# Altium PCB carrier_pcb.PcbDoc (part 1 of 3) (continued)
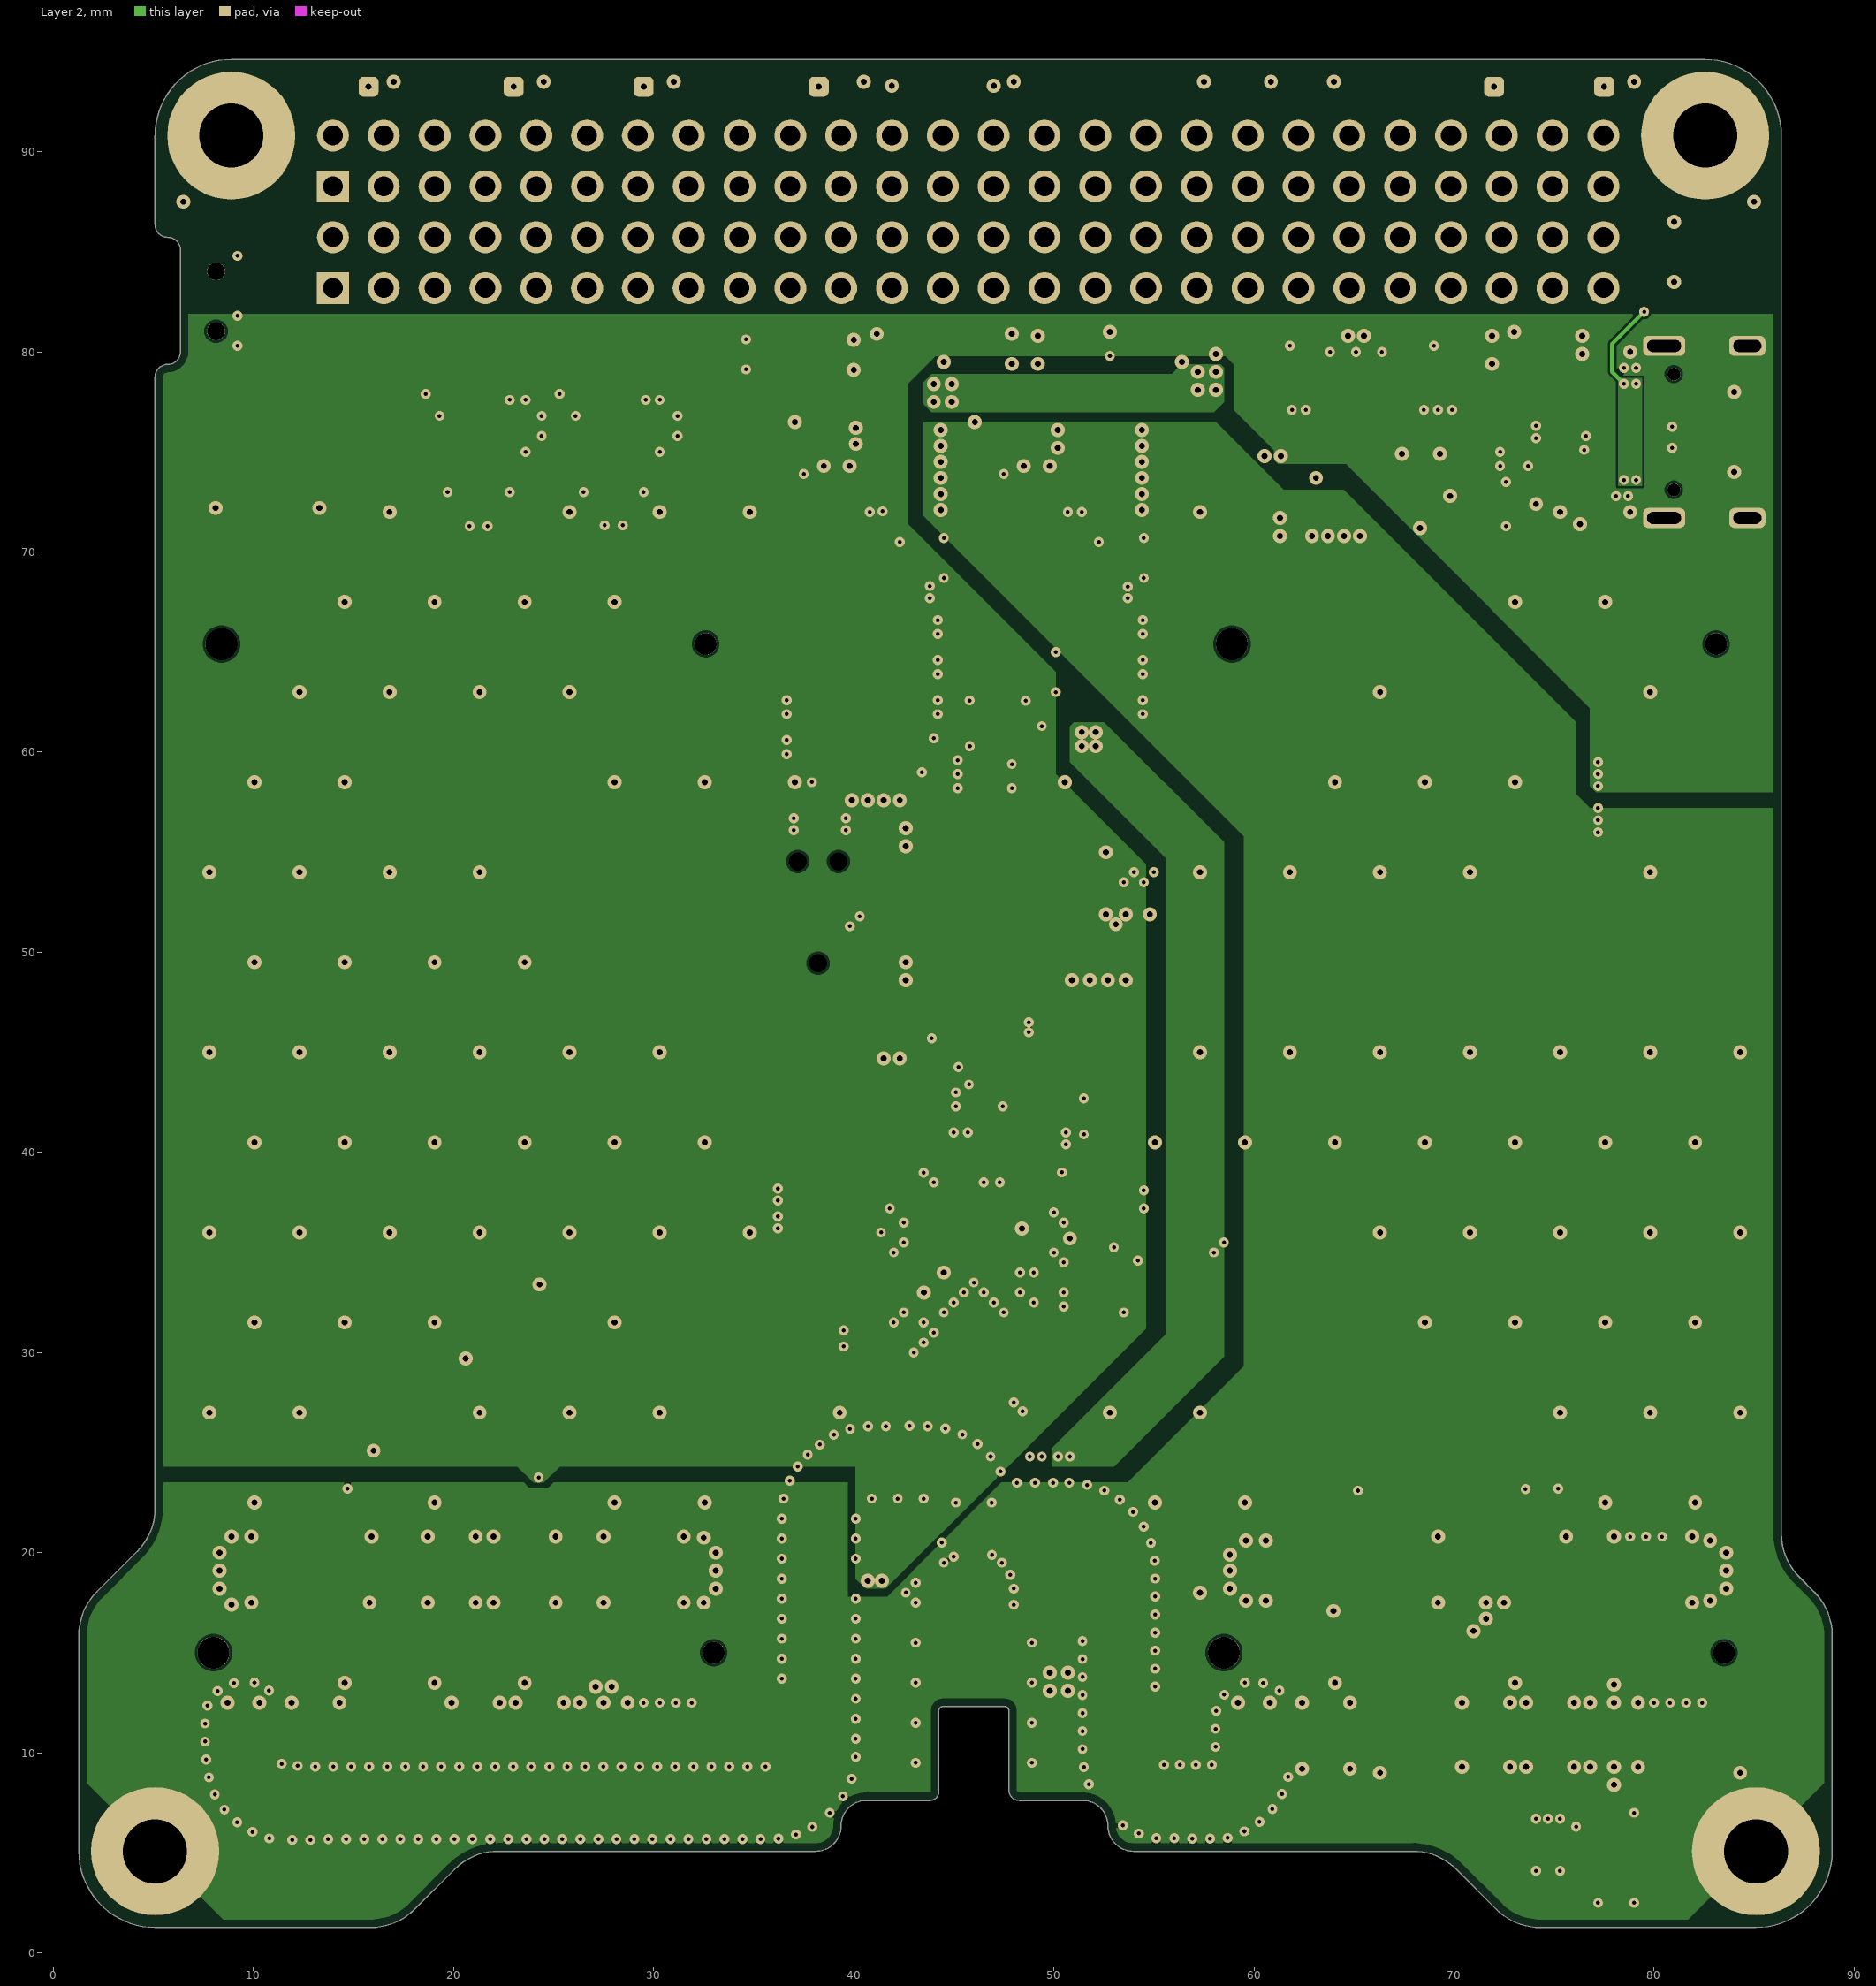
[diagram p4: Layer 2]
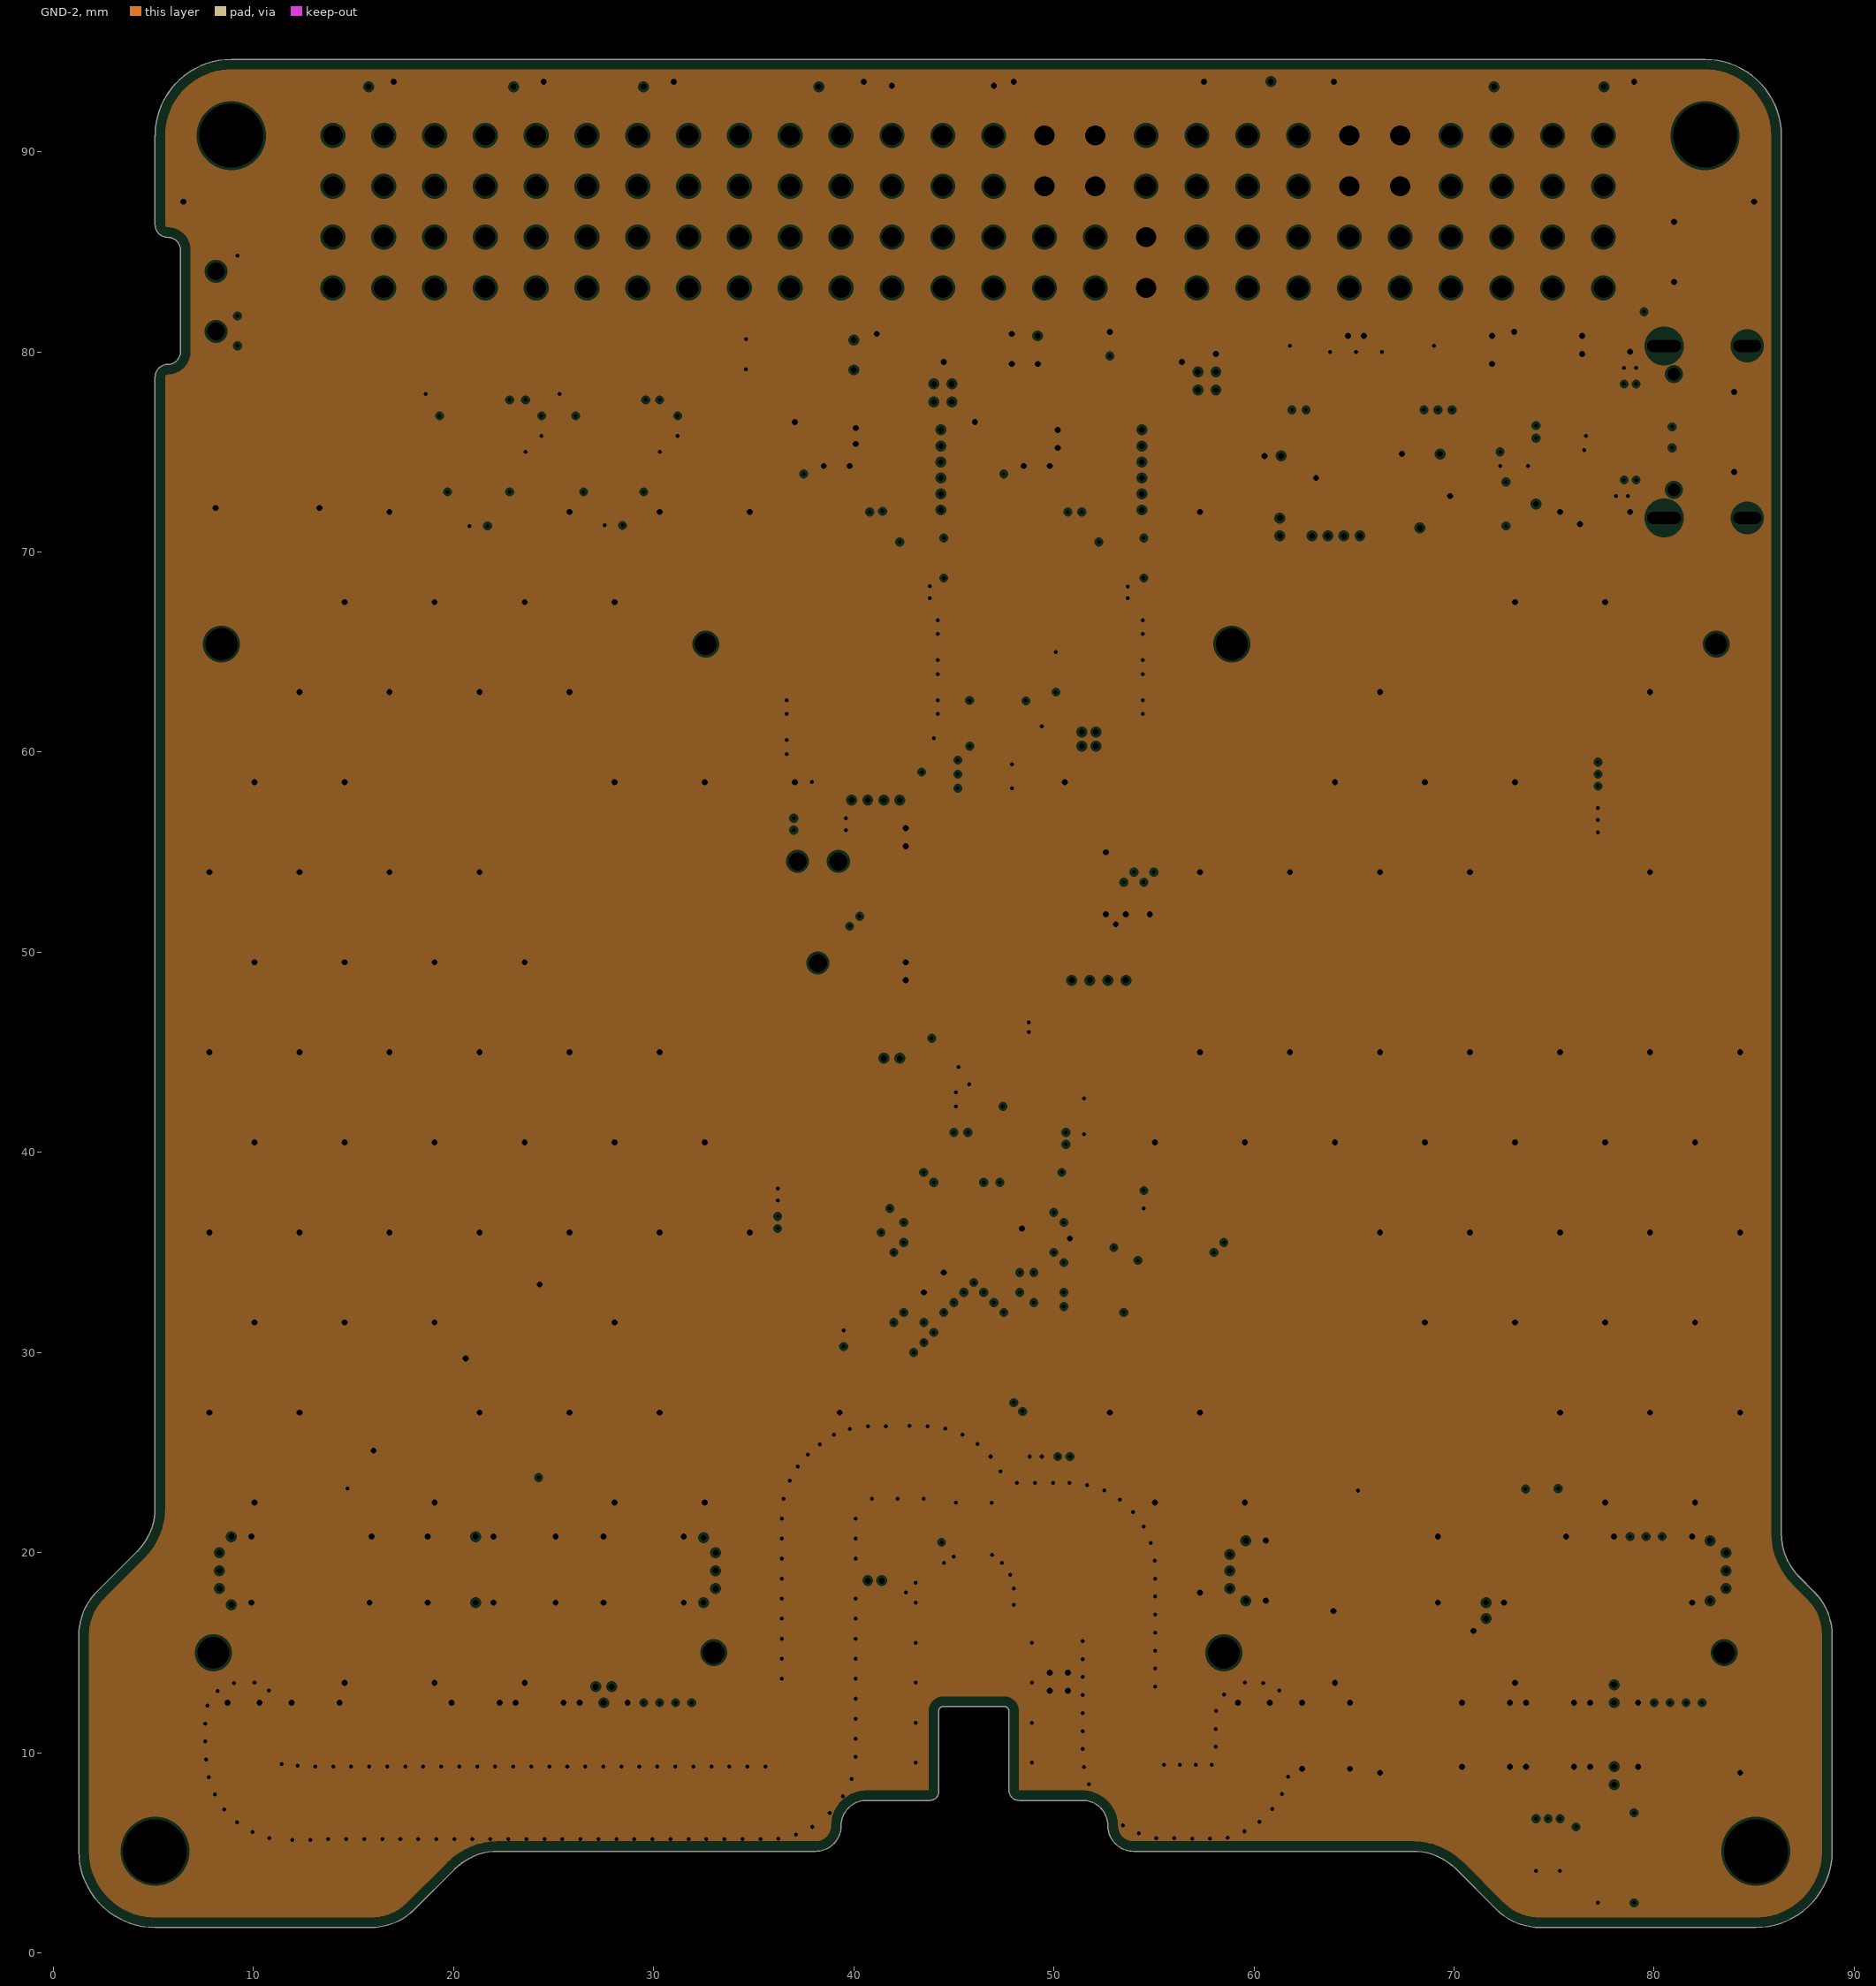
[diagram p5: GND-2, clearances drawn from the general rule]
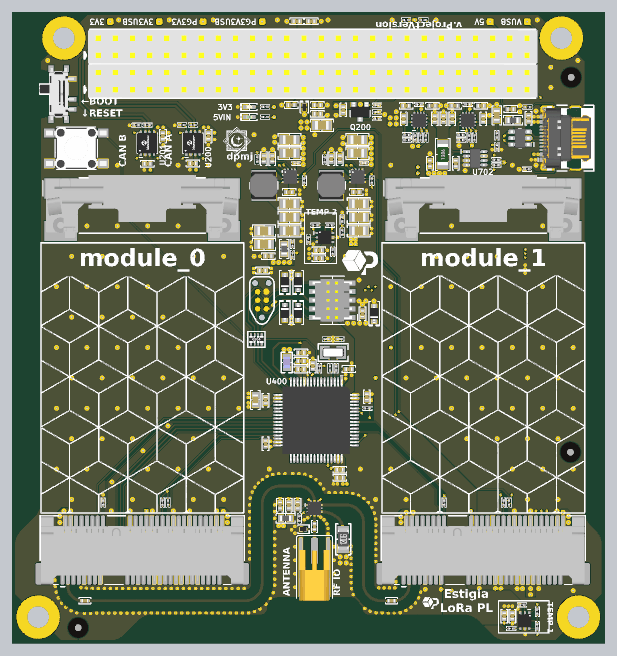
[diagram p8: 3D render of the assembled board from above, using the file's embedded part models]
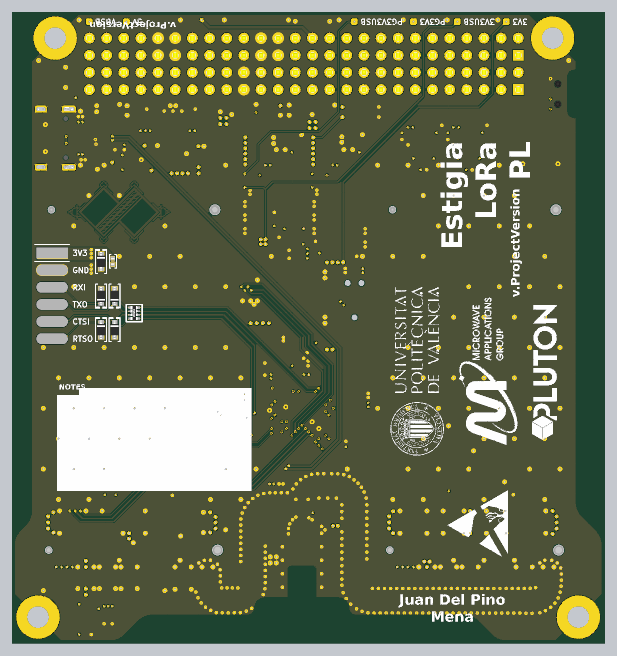
[diagram p9: 3D render of the assembled board from below, using the file's embedded part models]

## Layer stack, top to bottom
Top Solder: solder mask 0.025, SM-001, Dk 4
Top: signal copper 0.018
PP-top: prepreg 0.22, PP-008, Dk 4.1
GND-1: plane copper 0.035, net GND
Core 1: core 0.35, Core-009, Dk 4.5
Layer 1: signal copper 0.035
PP-mid: prepreg 0.22, PP-008, Dk 4.1
Layer 2: signal copper 0.035
Core 2: core 0.35, Core-009, Dk 4.5
GND-2: plane copper 0.035, net GND
PP-bottom: prepreg 0.22, PP-008, Dk 4.1
Bottom: signal copper 0.018
Board Layer Stack Bottom Solder: solder mask 0.025, SM-001, Dk 4

## Board outline
5.08,1.27 cw(c5.08,5.08) 1.27,5.08 1.27,15.875 cw(c4.336,15.875) 2.168,18.043 4.182,20.057 ccw(c2.014,22.225) 5.08,22.225 5.08,78.74 cw(c5.715,78.74) 5.715,79.375 ccw(c5.715,80.01) 6.35,80.01 6.35,85.09 ccw(c5.715,85.09) 5.715,85.725 cw(c5.715,86.36) 5.08,86.36 5.08,90.8 cw(c5.085,90.8) 5.085,90.805 5.085,90.81 cw(c8.89,90.81) 8.89,94.615 82.55,94.615 cw(c82.55,90.805) 86.36,90.805 86.36,20.95 ccw(c89.426,20.95) 87.258,18.782 88.006,18.034 cw(c85.846,15.875) 88.9,15.875 88.9,5.08 cw(c85.09,5.08) 85.09,1.27 74.291,1.27 cw(c74.291,4.336) 72.123,2.168 70.107,4.184 ccw(c67.945,2.022) 67.945,5.08 53.975,5.08 cw(c53.975,6.35) 52.705,6.35 ccw(c51.435,6.35) 51.435,7.62 48.26,7.62 cw(c48.26,8.128) 47.752,8.128 47.752,12.084 ccw(c47.517,12.084) 47.517,12.319 44.484,12.319 ccw(c44.484,12.082) 44.247,12.082 44.247,8.052 cw(c43.815,8.052) 43.815,7.62 40.64,7.62 ccw(c40.64,6.35) 39.37,6.35 cw(c38.1,6.35) 38.1,5.08 22.22,5.08 ccw(c22.22,2.014) 20.052,4.182 18.034,2.164 cw(c15.875,4.324) 15.875,1.27

## Design rules (kind name [scope] priority, off if disabled: settings)
BoardOutlineClearance BoardOutlineClearance_MH_SH [InComponent('MH1') Or InComponent('MH2') Or InComponent('SH1')] p1: gap=0 ignorepadtopadclearanceinfootprint=FALSE
BoardOutlineClearance BoardOutlineClearance_layers [WithinRoom('layers_room')] p2: gap=0 ignorepadtopadclearanceinfootprint=FALSE
BoardOutlineClearance BoardOutlineClearance_EARTH [InNet('EARTH')] p3: gap=0.1 ignorepadtopadclearanceinfootprint=FALSE
BoardOutlineClearance [All] p4: gap=0.2 ignorepadtopadclearanceinfootprint=FALSE except(0.4: Poly-OutlineEdge Poly-CavityEdge Poly-CutoutEdge Poly-SplitBarrior Poly-SplitContinuation)
Clearance "Stitching GND" [IsStitchingVia and InNet('GND') vs (IsVia and (Not IsStitchingVia)) Or IsPad] p1: gap=0.15 ignorepadtopadclearanceinfootprint=FALSE
Clearance [All] p2: gap=0.125 ignorepadtopadclearanceinfootprint=TRUE
ComponentClearance clearance_shield [InComponent('SH1')] p1: gap=0 collisioncheckmode=3 verticalgap=0.254 showdistances=FALSE
ComponentClearance [All] p2: gap=0.254 collisioncheckmode=3 verticalgap=0.254 showdistances=FALSE
DiffPairsRouting "Schematic Differential Pairs Routing_1" [InNetClass('USB90')] p1: maxlimit=0.127 minlimit=0.127 mostfreqgap=0.127 toplayer_minwidth=0.269 toplayer_maxwidth=0.269 toplayer_prefwidth=0.269 midlayer1_minwidth=0.11 midlayer1_maxwidth=0.11 midlayer1_prefwidth=0.11 midlayer2_minwidth=0.11 midlayer2_maxwidth=0.11 midlayer2_prefwidth=0.11 bottomlayer_minwidth=0.269 bottomlayer_maxwidth=0.269 bottomlayer_prefwidth=0.269 impedanceprofiledriven=TRUE impedanceprofileid={266757C6-EAF0-4150-87D3-D6DA855A85D4} impedanceprofilevalue=90.000000 maxuncoupledlength=12.7
DiffPairsRouting Diff_100ohmDiffPairsRouting [InDifferentialPairClass('Diff_100ohm')] p2: maxlimit=0.127 minlimit=0.127 mostfreqgap=0.127 toplayer_minwidth=0.181 toplayer_maxwidth=0.181 toplayer_prefwidth=0.181 midlayer1_minwidth=0.109 midlayer1_maxwidth=0.109 midlayer1_prefwidth=0.109 midlayer2_minwidth=0.109 midlayer2_maxwidth=0.109 midlayer2_prefwidth=0.109 bottomlayer_minwidth=0.181 bottomlayer_maxwidth=0.181 bottomlayer_prefwidth=0.181 maxuncoupledlength=12.7
DiffPairsRouting Diff_90ohmDiffPairsRouting [InDifferentialPairClass('Diff_90ohm')] p3: maxlimit=0.127 minlimit=0.127 mostfreqgap=0.127 toplayer_minwidth=0.269 toplayer_maxwidth=0.269 toplayer_prefwidth=0.269 midlayer1_minwidth=0.11 midlayer1_maxwidth=0.11 midlayer1_prefwidth=0.11 midlayer2_minwidth=0.11 midlayer2_maxwidth=0.11 midlayer2_prefwidth=0.11 bottomlayer_minwidth=0.269 bottomlayer_maxwidth=0.269 bottomlayer_prefwidth=0.269 impedanceprofiledriven=TRUE impedanceprofileid={266757C6-EAF0-4150-87D3-D6DA855A85D4} impedanceprofilevalue=90.000000 maxuncoupledlength=5
DiffPairsRouting [All] p4: maxlimit=0.2 minlimit=0.2 mostfreqgap=0.2 toplayer_minwidth=0.16 toplayer_maxwidth=0.3 toplayer_prefwidth=0.2 midlayer1_minwidth=0.16 midlayer1_maxwidth=0.3 midlayer1_prefwidth=0.2 midlayer2_minwidth=0.16 midlayer2_maxwidth=0.3 midlayer2_prefwidth=0.2 bottomlayer_minwidth=0.16 bottomlayer_maxwidth=0.3 bottomlayer_prefwidth=0.2 maxuncoupledlength=12.7
HoleSize [All] p1: absolutevalues=TRUE maxlimit=6 minlimit=0.2 maxpercent=80.000 minpercent=20.000
HoleToHoleClearance [All] p1: gap=0.25 allowstackedmicrovias=FALSE
MatchedLengths "Schematic Matched Net Lengths_10" [InNetClass('I2C GW0')] p1: tolerance=20 checknetsindiffpair=FALSE checkdiffpairvsdiffpair=TRUE checkxsignals=TRUE checkothers=TRUE
MatchedLengths "Schematic Matched Net Lengths_9" [InNetClass('I2C GW1')] p2: tolerance=20 checknetsindiffpair=FALSE checkdiffpairvsdiffpair=TRUE checkxsignals=TRUE checkothers=TRUE
MatchedLengths "Schematic Matched Net Lengths_8" [InNetClass('SPI GW0')] p3: tolerance=20 checknetsindiffpair=FALSE checkdiffpairvsdiffpair=TRUE checkxsignals=TRUE checkothers=TRUE
MatchedLengths "Schematic Matched Net Lengths" [InNetClass('SPI GW1')] p4: tolerance=20 checknetsindiffpair=FALSE checkdiffpairvsdiffpair=TRUE checkxsignals=TRUE checkothers=TRUE
MatchedLengths ETH_iterpair_skew [InNetClass('ETH')] p5: tolerance=1.2 checknetsindiffpair=FALSE checkdiffpairvsdiffpair=TRUE checkxsignals=TRUE checkothers=TRUE
MatchedLengths GETH_interpair_skew [InNetClass('GETH')] p6: tolerance=15.2 checknetsindiffpair=FALSE checkdiffpairvsdiffpair=TRUE checkxsignals=TRUE checkothers=TRUE
MatchedLengths Diff_100ohm_intrapair_skew [InDifferentialPairClass('Diff_100ohm')] p7: tolerance=1.2 checknetsindiffpair=TRUE checkdiffpairvsdiffpair=FALSE checkxsignals=FALSE checkothers=FALSE
MatchedLengths Diff_90ohm_intrapair_skew [InDifferentialPairClass('Diff_90ohm')] p8: tolerance=1.2 checknetsindiffpair=TRUE checkdiffpairvsdiffpair=FALSE checkxsignals=FALSE checkothers=FALSE
MinimumSolderMaskSliver [All] p1: minsoldermaskwidth=0.01
PlaneClearance [All] p1: clearance=0.125
PlaneConnect [All] p1: planeconnectstyle=Direct reliefexpansion=0.2 reliefentries=4 reliefconductorwidth=0.2 reliefairgap=0.2
PolygonConnect [All] p1: connectstyle=Direct reliefconductorwidth=0.2 reliefentries=4 polygonreliefangle="90 Angle" airgapwidth=0.2
RoutingCorners [All] p1: cornerstyle=45-Degree minsetback=2 maxsetback=2
RoutingVias [All] p1: holewidth=0.3 width=0.6 viastyle="Through Hole" minholewidth=0.3 minwidth=0.6 maxholewidth=1 maxwidth=1.6 useviatemplates=TRUE viatemplateguid#1={39D943AA-D227-46A7-8F8A-C980D78A2CC2} viatemplateguid#2={ED54C93A-746D-462E-A09E-43A08D542308} viatemplatename#1=v40h20_lib viatemplatename#2=v60h30_lib
SilkToSilkClearance [All] p1: silktosilkclearance=0
SilkToSolderMaskClearance [IsPad] p1: minsilkscreentomaskgap=0.06 clearancetoexposedcopper=TRUE
SolderMaskExpansion SolderMaskExpansion_Via [IsVia] p1: expansion=0.06 istentingtop=FALSE soldermaskfromhole=TRUE
SolderMaskExpansion [All] p2: expansion=0.06 istentingtop=FALSE
Width "Schematic Width Constraint_15" [InNet('VDDA_3V3')] p1: maxlimit=0.5 minlimit=0.3 preferedwidth=0.4 minimp=50.000000 maximp=50.000000 favimp=50.000000
Width "Schematic Width Constraint_14" [InNet('USB3V3.SW_6')] p2: maxlimit=2 minlimit=0.2 preferedwidth=0.4
Width "Schematic Width Constraint_13" [InNet('VBUS_5V_USB')] p3: maxlimit=2 minlimit=0.2 preferedwidth=0.4
Width "Schematic Width Constraint_12" [InNet('VCC_5V_MUX')] p4: maxlimit=2 minlimit=0.2 preferedwidth=0.4
Width "Schematic Width Constraint_11" [InNet('VBUS_5V_SAT')] p5: maxlimit=2 minlimit=0.2 preferedwidth=0.4
Width "Schematic Width Constraint_10" [InNet('VCC_3V3_USB')] p6: maxlimit=2 minlimit=0.2 preferedwidth=0.4
Width "Schematic Width Constraint_9" [InNet('DC3V3.SW_6')] p7: maxlimit=2 minlimit=0.2 preferedwidth=0.4
Width "Schematic Width Constraint_8" [InNet('DC3V3.VO_6')] p8: maxlimit=2 minlimit=0.2 preferedwidth=0.4
Width "Schematic Width Constraint_7" [InNet('VCC_3V3')] p9: maxlimit=2 minlimit=0.2 preferedwidth=0.4
Width "Schematic Width Constraint_6" [InNet('VCC_5V_USB')] p10: maxlimit=2 minlimit=0.2 preferedwidth=0.4
Width "Schematic Width Constraint_5" [InNet('VCC_5V')] p11: maxlimit=2 minlimit=0.2 preferedwidth=0.4
Width "Schematic Width Constraint_2" [InNetClass('RF50')] p12: maxlimit=0.48 minlimit=0.409 preferedwidth=0.48 toplayer_maxwidth=0.409 toplayer_prefwidth=0.409 midlayer1_minwidth=0.48 midlayer2_minwidth=0.48 bottomlayer_maxwidth=0.409 bottomlayer_prefwidth=0.409 impedanceprofiledriven=TRUE impedanceprofileid={CDDA0CBB-3701-4042-A26C-5B9D6D4CF3E0} impedanceprofilevalue=50.000000 minimp=50.000000 maximp=50.000000 favimp=50.000000
Width [All] p13: maxlimit=2 minlimit=0.15 preferedwidth=0.15
20 further rules are at their usual default settings.

## Classes and differential pairs
net class "SPI GW1": GW1_SPI.CSN GW1_SPI.MISO GW1_SPI.MOSI GW1_SPI.SCK
net class "SPI GW0": GW0_SPI.CSN GW0_SPI.MISO GW0_SPI.MOSI GW0_SPI.SCK
net class "I2C GW1": GW1_I2C.SCL GW1_I2C.SDA
net class "I2C GW0": GW0_I2C.SCL GW0_I2C.SDA
net class USB90: USB.D_N USB.D_P USBC.D_8_N USBC.D_8_P
net class RF50: ANTENNA_5 GW0_RFIO GW1_RFIO RFSW.P1_5 RFSW.P2_5 RFSW.P3_5 RFSW.P4_5
net class POWER: DC3V3.SW_6 DC3V3.VO_6 USB3V3.SW_6 VBUS_5V_SAT VBUS_5V_USB VCC_3V3 VCC_3V3_USB VCC_5V VCC_5V_MUX VCC_5V_USB VDDA_3V3
component class "RF PATH": ANT500 C500 C501 C502 C503 C504 C505 D500 FB500 R500 R501 U500
component class "POWER PROTECTION/MONITORING": C700 C701 C702 C703 C704 C705 C706 C707 C708 C709 C710 R700 R701 R702 R703 R704 R705 R706 R707 R708 R709 R710 R711 R712 R713 U700 U701 U702
component class "POWER MANAGEMENT": 3V3 3V3USB C600 C601 C602 C603 C604 C605 C606 C607 C608 C609 C610 C611 C612 C613 C614 C615 C616 C617 C618 C619 C620 D600 D601 FB600 L600 L601 PG3V3 PG3V3USB R600 R601 R602 R603 R604 R605 R606 R607 R608 R609 U600 U601
component class PORTS: 5V C800 C801 C802 C803 C804 C805 CN800 CN801 CN802 D800 D801 D802 D803 D804 D805 D806 D807 D808 D809 FB800 R800 R801 R802 R803 R804 R805 U800 VUSB
component class "MINI-PCIE CONNECTORS": C300 C301 C302 C303 CN300 CN301 CN302 CN303 R300 R301 R302 R303 R304 R305 R306 R307 R308 R309 R310 R311 R312 R313 U300 U301
component class MICROCONTROLLER: C400 C401 C402 C403 C404 C405 C406 C407 C408 C409 C410 C411 C412 L400 R400 R401 R402 R403 S400 S401 U400 Y400
component class "CUBESAT BUS": C200 C201 C202 C203 C204 C205 C206 C207 C208 C209 C210 C211 C212 CN200 CN201 D200 Q200 R200 R201 R202 R203 R204 R205 R206 U200 U201
component class 1_cover: EM1 FID100 FID101 FID102 LOG100 LOG101 LOG102 LOG103 LOG104 LOG105 MH100 MH101 MH102 MH103
differential pair USBC.D_8: +USBC.D_8_P -USBC.D_8_N
differential pair USB.D: +USB.D_P -USB.D_N
differential pair CAN_B_2: +CAN_B_2_H -CAN_B_2_L
differential pair CAN_A_2: +CAN_A_2_H -CAN_A_2_L
